# Altium PCB STB_ValidationBoard.PcbDoc (part 1 of 4) (continued)
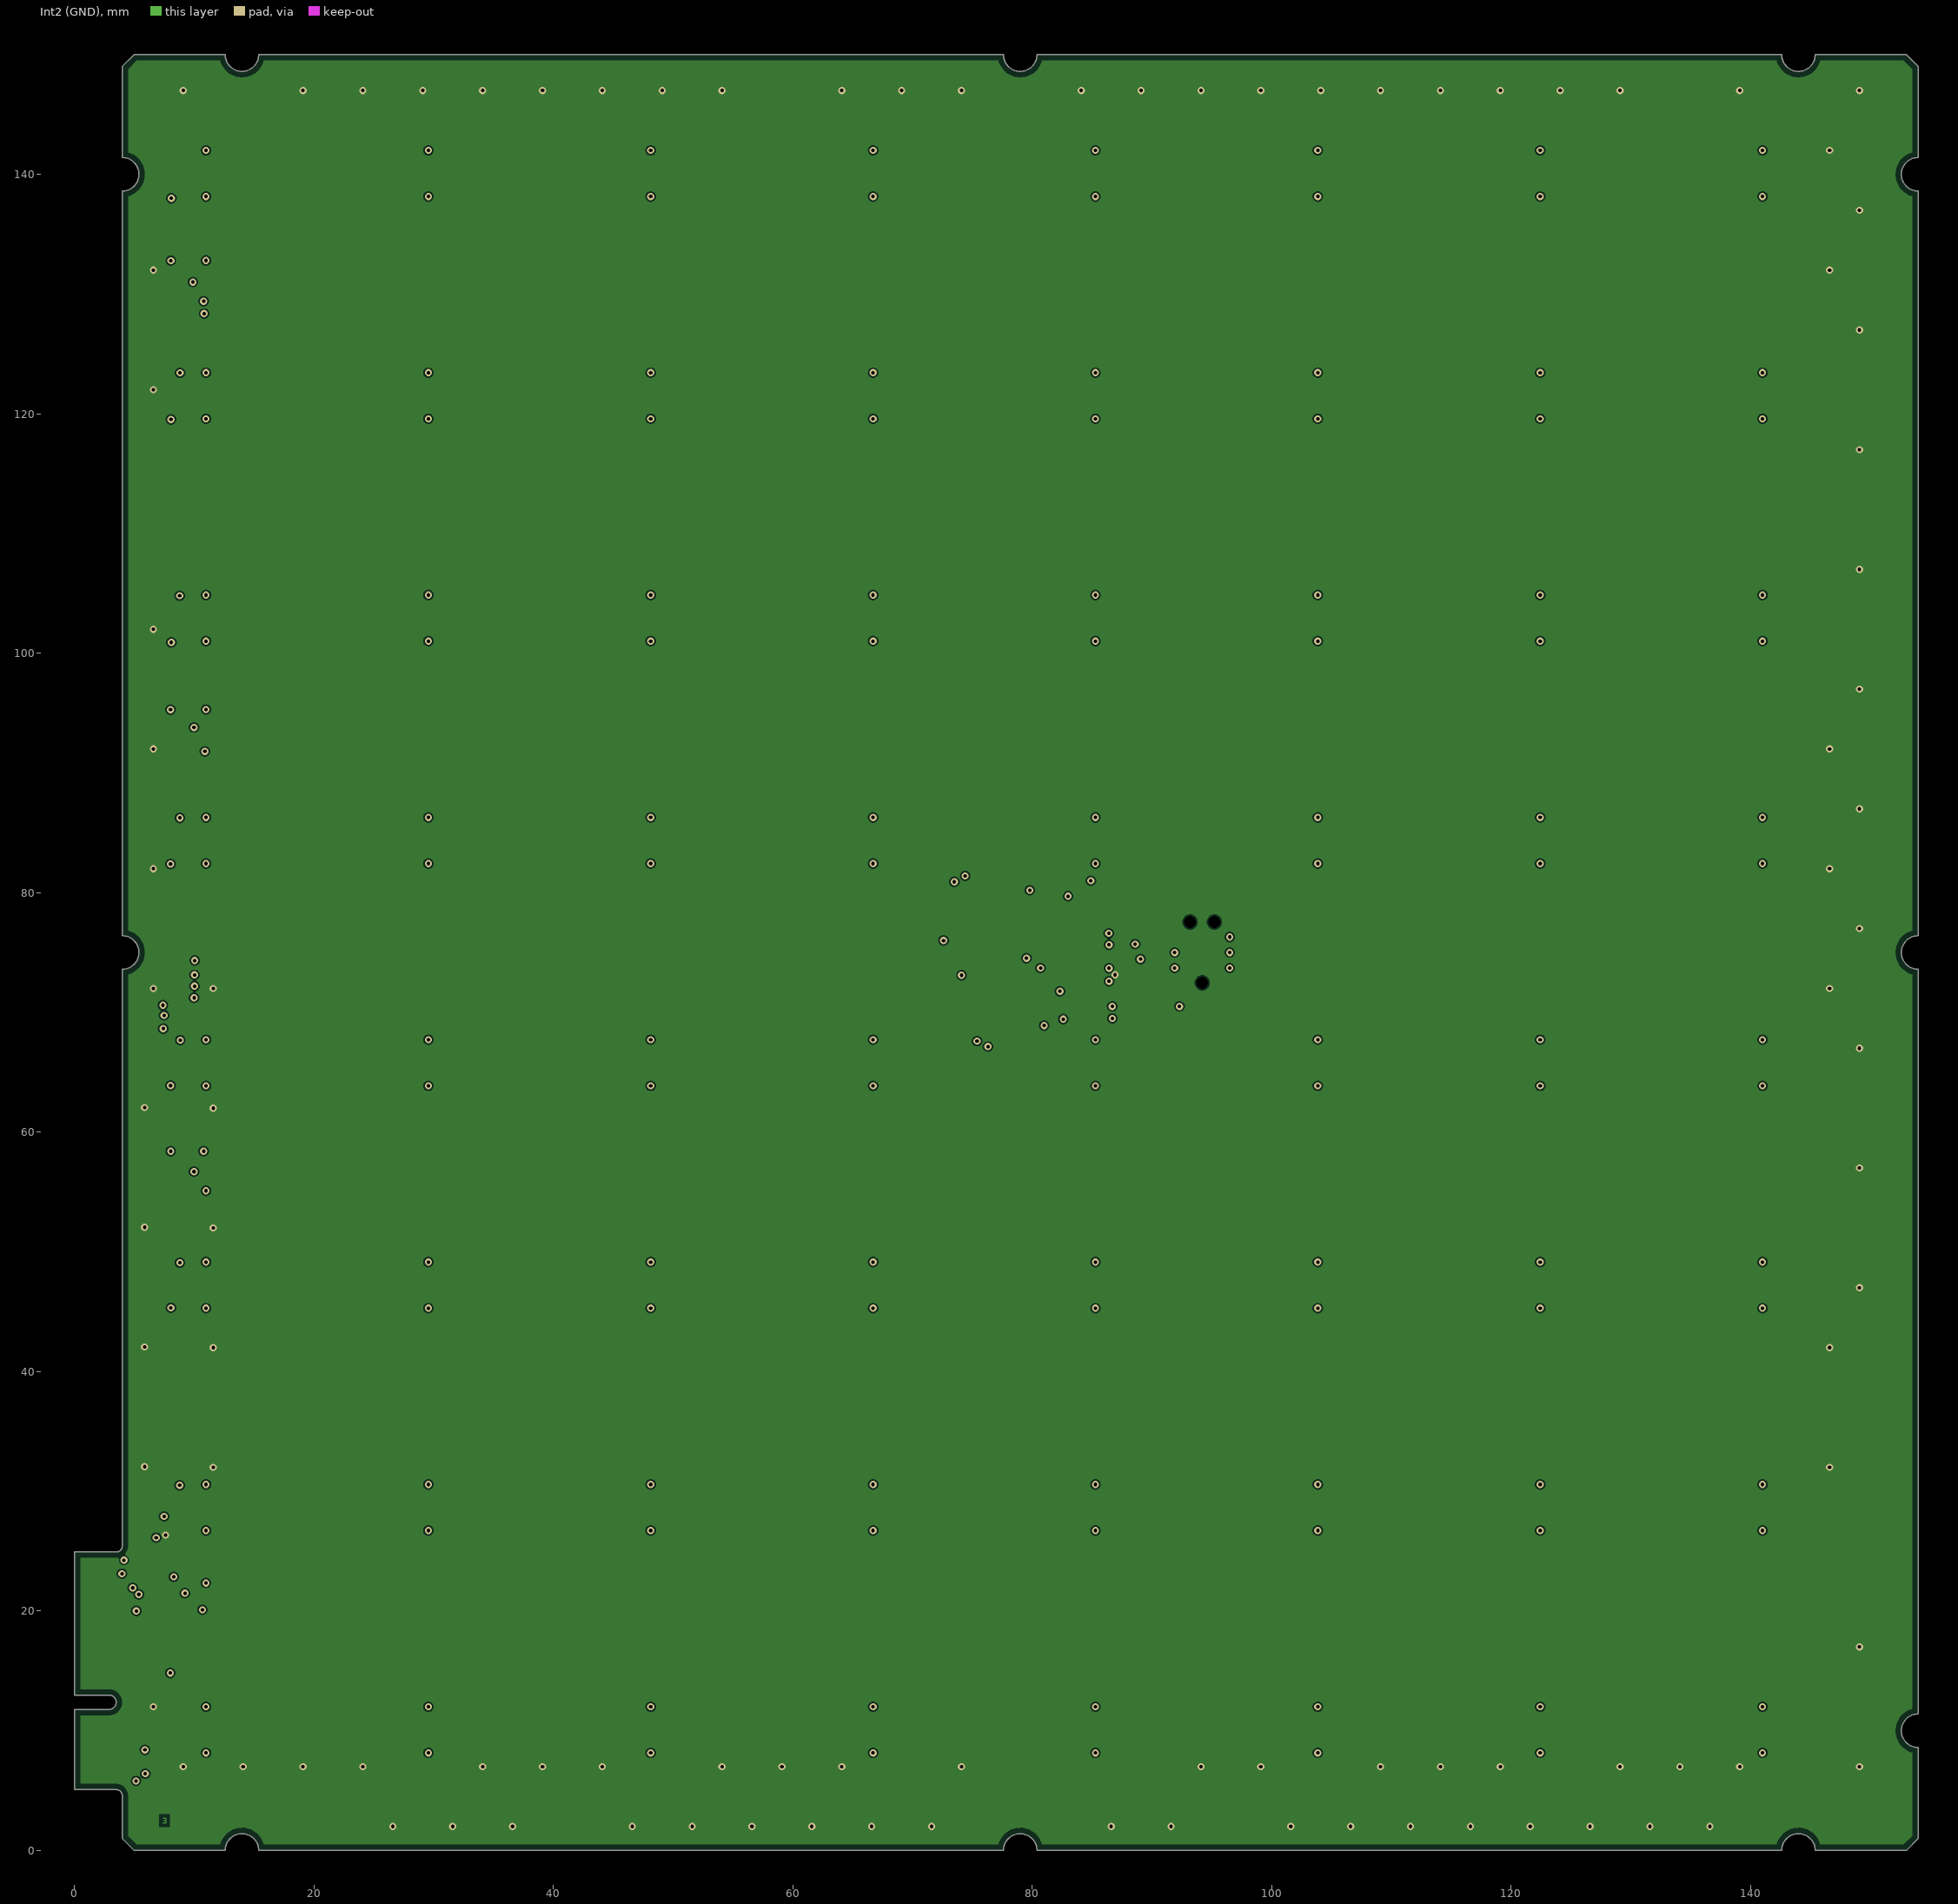
[diagram p3: Int2 (GND)]
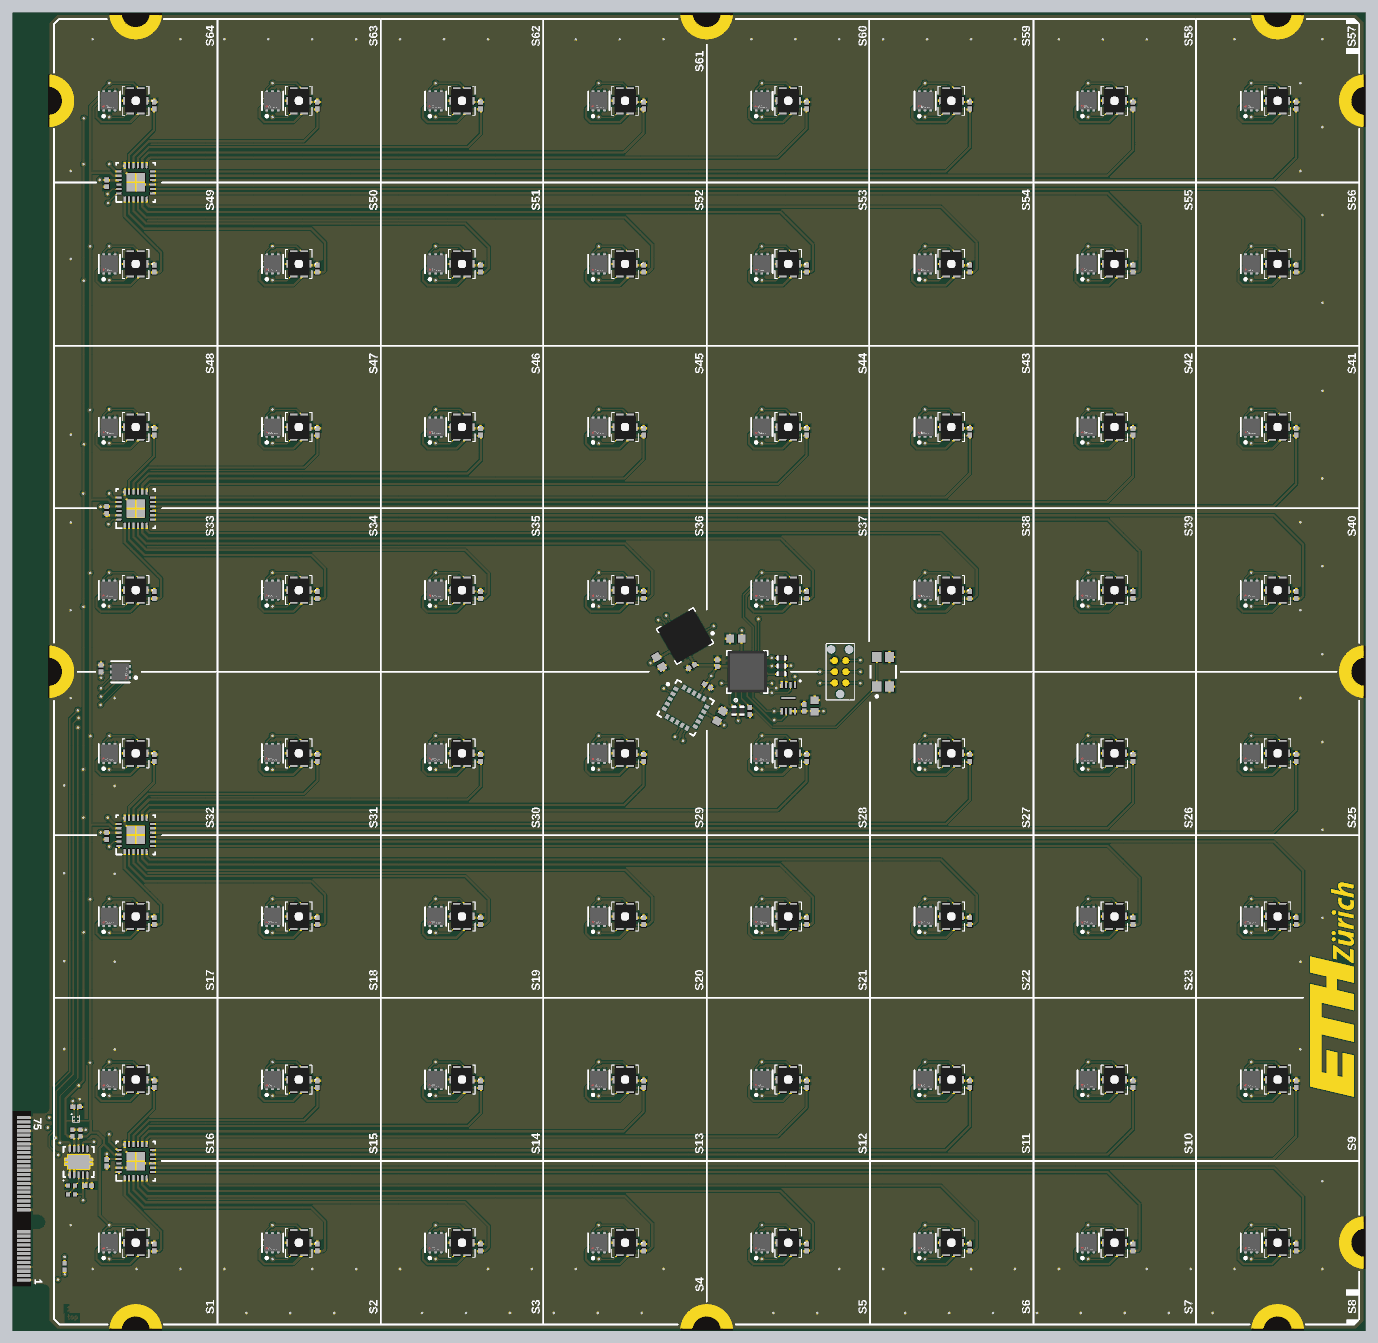
[diagram p7: 3D render of the assembled board from above, using the file's embedded part models]

## Layer stack, top to bottom
Top Solder: solder mask 0.01, SM-001, Dk 4
Top Layer: signal copper 0.035
Dielectric 1: prepreg 0.0787, PP-008, Dk 4.1
Dielectric 2: prepreg 0.0787, PP-008, Dk 4.1
Int1 (Signal): signal copper 0.035
Dielectric 3: core 0.3048, Core-031, Dk 4.4
Int2 (GND): signal copper 0.035
Dielectric 4: prepreg 0.0787, PP-008, Dk 4.1
Dielectric 5: prepreg 0.0787, PP-008, Dk 4.1
Bottom Layer: signal copper 0.035
Bottom Solder: solder mask 0.01, SM-001, Dk 4

## Board outline
0,5.075 3.5,5.075 cw(c3.5,4.575) 4,4.575 4,1 5,0 12.6,0 cw(c14,0) 14,1.4 cw(c14,0) 15.4,0 77.6,0 cw(c79,0) 79,1.4 cw(c79,0) 80.4,0 142.6,0 cw(c144,0) 144,1.4 cw(c144,0) 145.4,0 153,0 154,1 154,8.6 cw(c154,10) 152.6,10 cw(c154,10) 154,11.4 154,73.6 cw(c154,75) 152.6,75 cw(c154,75) 154,76.4 154,138.6 cw(c154,140) 152.6,140 cw(c154,140) 154,141.4 154,149 153,150 147,150 145.4,150 cw(c144,150) 144,148.6 cw(c144,150) 142.6,150 80.4,150 cw(c79,150) 79,148.6 cw(c79,150) 77.6,150 76,150 17,150 15.4,150 cw(c14,150) 14,148.6 cw(c14,150) 12.6,150 5,150 4,149 4,143 4,141.4 cw(c4,140) 5.4,140 cw(c4,140) 4,138.6 4,76.4 cw(c4,75) 5.4,75 cw(c4,75) 4,73.6 4,72 4,25.425 cw(c3.5,25.425) 3.5,24.925 0,24.925 0,12.975 2.9,12.975 cw(c2.9,12.375) 3.5,12.375 cw(c2.9,12.375) 2.9,11.775 0,11.775

## Design rules (kind name [scope] priority, off if disabled: settings)
BoardOutlineClearance BoardOutlineClearance_INNER2 [OnLayer('Int2 (GND)')] p1: gap=0.5 ignorepadtopadclearanceinfootprint=FALSE
BoardOutlineClearance BoardOutlineClearance_INNER1 [OnLayer('Int1 (Signal)')] p2: gap=0.5 ignorepadtopadclearanceinfootprint=FALSE
BoardOutlineClearance [All] p3: gap=0.21 ignorepadtopadclearanceinfootprint=FALSE
Clearance [All] p1: gap=0.125 ignorepadtopadclearanceinfootprint=FALSE
PlaneConnect [All] p1: pad.planeconnectstyle=Relief pad.reliefexpansion=0.508 pad.reliefentries=4 pad.reliefconductorwidth=0.254 pad.reliefairgap=0.254 via.planeconnectstyle=Direct via.reliefexpansion=0.508 via.reliefentries=4 via.reliefconductorwidth=0.254 via.reliefairgap=0.254
PolygonConnect [All] p1: thpad.connectstyle=Relief thpad.reliefconductorwidth=0.254 thpad.reliefentries=4 thpad.polygonreliefangle="90 Angle" thpad.airgapwidth=0.254 smdpad.connectstyle=Relief smdpad.reliefconductorwidth=0.254 smdpad.reliefentries=4 smdpad.polygonreliefangle="90 Angle" smdpad.airgapwidth=0.254 via.connectstyle=Direct via.reliefconductorwidth=0.254 via.reliefentries=4 via.polygonreliefangle="90 Angle" via.airgapwidth=0.254
RoomDefinition S38 [InComponentClass('S38')] p1: confinementstyle=ConfineIn formatcopy=TRUE lockcomponents=FALSE outline 97.571,75 116.143,75 116.143,93.571 97.571,93.571
RoomDefinition S16 [InComponentClass('S16')] p2: confinementstyle=ConfineIn formatcopy=TRUE lockcomponents=FALSE outline 4.714,19.286 23.286,19.286 23.286,37.857 4.714,37.857
RoomDefinition S2 [InComponentClass('S2')] p3: confinementstyle=ConfineIn formatcopy=TRUE lockcomponents=FALSE outline 23.286,0.714 41.857,0.714 41.857,19.286 23.286,19.286
RoomDefinition S5 [InComponentClass('S5')] p4: confinementstyle=ConfineIn formatcopy=TRUE lockcomponents=FALSE outline 79,0.714 97.571,0.714 97.571,19.286 79,19.286
RoomDefinition S9 [InComponentClass('S9')] p5: confinementstyle=ConfineIn formatcopy=TRUE lockcomponents=FALSE outline 134.714,19.286 153.285,19.286 153.285,37.857 134.714,37.857
RoomDefinition S10 [InComponentClass('S10')] p6: confinementstyle=ConfineIn formatcopy=TRUE lockcomponents=FALSE outline 116.143,19.286 134.714,19.286 134.714,37.857 116.143,37.857
RoomDefinition S11 [InComponentClass('S11')] p7: confinementstyle=ConfineIn formatcopy=TRUE lockcomponents=FALSE outline 97.571,19.286 116.143,19.286 116.143,37.857 97.571,37.857
RoomDefinition S12 [InComponentClass('S12')] p8: confinementstyle=ConfineIn formatcopy=TRUE lockcomponents=FALSE outline 79,19.286 97.571,19.286 97.571,37.857 79,37.857
RoomDefinition S13 [InComponentClass('S13')] p9: confinementstyle=ConfineIn formatcopy=TRUE lockcomponents=FALSE outline 60.428,19.286 79,19.286 79,37.857 60.428,37.857
RoomDefinition S14 [InComponentClass('S14')] p10: confinementstyle=ConfineIn formatcopy=TRUE lockcomponents=FALSE outline 41.857,19.286 60.428,19.286 60.428,37.857 41.857,37.857
RoomDefinition S15 [InComponentClass('S15')] p11: confinementstyle=ConfineIn formatcopy=TRUE lockcomponents=FALSE outline 23.286,19.286 41.857,19.286 41.857,37.857 23.286,37.857
RoomDefinition S17 [InComponentClass('S17')] p12: confinementstyle=ConfineIn formatcopy=TRUE lockcomponents=FALSE outline 4.714,37.857 23.286,37.857 23.286,56.428 4.714,56.428
RoomDefinition S18 [InComponentClass('S18')] p13: confinementstyle=ConfineIn formatcopy=TRUE lockcomponents=FALSE outline 23.286,37.857 41.857,37.857 41.857,56.428 23.286,56.428
RoomDefinition S19 [InComponentClass('S19')] p14: confinementstyle=ConfineIn formatcopy=TRUE lockcomponents=FALSE outline 41.857,37.857 60.428,37.857 60.428,56.428 41.857,56.428
RoomDefinition S20 [InComponentClass('S20')] p15: confinementstyle=ConfineIn formatcopy=TRUE lockcomponents=FALSE outline 60.428,37.857 79,37.857 79,56.428 60.428,56.428
RoomDefinition S21 [InComponentClass('S21')] p16: confinementstyle=ConfineIn formatcopy=TRUE lockcomponents=FALSE outline 79,37.857 97.571,37.857 97.571,56.428 79,56.428
RoomDefinition S22 [InComponentClass('S22')] p17: confinementstyle=ConfineIn formatcopy=TRUE lockcomponents=FALSE outline 97.571,37.857 116.143,37.857 116.143,56.428 97.571,56.428
RoomDefinition S23 [InComponentClass('S23')] p18: confinementstyle=ConfineIn formatcopy=TRUE lockcomponents=FALSE outline 116.143,37.857 134.714,37.857 134.714,56.428 116.143,56.428
RoomDefinition S24 [InComponentClass('S24')] p19: confinementstyle=ConfineIn formatcopy=TRUE lockcomponents=FALSE outline 134.714,37.857 153.285,37.857 153.285,56.428 134.714,56.428
RoomDefinition S25 [InComponentClass('S25')] p20: confinementstyle=ConfineIn formatcopy=TRUE lockcomponents=FALSE outline 134.714,56.428 153.285,56.428 153.285,75 134.714,75
RoomDefinition S26 [InComponentClass('S26')] p21: confinementstyle=ConfineIn formatcopy=TRUE lockcomponents=FALSE outline 116.143,56.428 134.714,56.428 134.714,75 116.143,75
RoomDefinition S27 [InComponentClass('S27')] p22: confinementstyle=ConfineIn formatcopy=TRUE lockcomponents=FALSE outline 97.571,56.428 116.143,56.428 116.143,75 97.571,75
RoomDefinition S28 [InComponentClass('S28')] p23: confinementstyle=ConfineIn formatcopy=TRUE lockcomponents=FALSE outline 79,56.428 97.571,56.428 97.571,75 79,75
RoomDefinition S29 [InComponentClass('S29')] p24: confinementstyle=ConfineIn formatcopy=TRUE lockcomponents=FALSE outline 60.429,56.428 79,56.428 79,75 60.429,75
RoomDefinition S30 [InComponentClass('S30')] p25: confinementstyle=ConfineIn formatcopy=TRUE lockcomponents=FALSE outline 41.857,56.428 60.428,56.428 60.428,75 41.857,75
RoomDefinition S31 [InComponentClass('S31')] p26: confinementstyle=ConfineIn formatcopy=TRUE lockcomponents=FALSE outline 23.286,56.428 41.857,56.428 41.857,75 23.286,75
RoomDefinition S32 [InComponentClass('S32')] p27: confinementstyle=ConfineIn formatcopy=TRUE lockcomponents=FALSE outline 4.714,56.428 23.286,56.428 23.286,75 4.714,75
RoomDefinition S33 [InComponentClass('S33')] p28: confinementstyle=ConfineIn formatcopy=TRUE lockcomponents=FALSE outline 4.714,75 23.286,75 23.286,93.571 4.714,93.571
RoomDefinition S34 [InComponentClass('S34')] p29: confinementstyle=ConfineIn formatcopy=TRUE lockcomponents=FALSE outline 23.286,75 41.857,75 41.857,93.571 23.286,93.571
RoomDefinition S35 [InComponentClass('S35')] p30: confinementstyle=ConfineIn formatcopy=TRUE lockcomponents=FALSE outline 41.857,75 60.428,75 60.428,93.571 41.857,93.571
RoomDefinition S36 [InComponentClass('S36')] p31: confinementstyle=ConfineIn formatcopy=TRUE lockcomponents=FALSE outline 60.429,75 79,75 79,93.571 60.429,93.571
RoomDefinition S37 [InComponentClass('S37')] p32: confinementstyle=ConfineIn formatcopy=TRUE lockcomponents=FALSE outline 79,75 97.571,75 97.571,93.571 79,93.571
RoomDefinition S39 [InComponentClass('S39')] p33: confinementstyle=ConfineIn formatcopy=TRUE lockcomponents=FALSE outline 116.143,75 134.714,75 134.714,93.571 116.143,93.571
RoomDefinition S40 [InComponentClass('S40')] p34: confinementstyle=ConfineIn formatcopy=TRUE lockcomponents=FALSE outline 134.714,75 153.285,75 153.285,93.571 134.714,93.571
RoomDefinition S41 [InComponentClass('S41')] p35: confinementstyle=ConfineIn formatcopy=TRUE lockcomponents=FALSE outline 134.714,93.571 153.285,93.571 153.285,112.143 134.714,112.143
RoomDefinition S42 [InComponentClass('S42')] p36: confinementstyle=ConfineIn formatcopy=TRUE lockcomponents=FALSE outline 116.143,93.571 134.714,93.571 134.714,112.143 116.143,112.143
RoomDefinition S43 [InComponentClass('S43')] p37: confinementstyle=ConfineIn formatcopy=TRUE lockcomponents=FALSE outline 97.571,93.571 116.143,93.571 116.143,112.143 97.571,112.143
RoomDefinition S44 [InComponentClass('S44')] p38: confinementstyle=ConfineIn formatcopy=TRUE lockcomponents=FALSE outline 79,93.571 97.571,93.571 97.571,112.143 79,112.143
RoomDefinition S45 [InComponentClass('S45')] p39: confinementstyle=ConfineIn formatcopy=TRUE lockcomponents=FALSE outline 60.428,93.571 79,93.571 79,112.143 60.428,112.143
RoomDefinition S46 [InComponentClass('S46')] p40: confinementstyle=ConfineIn formatcopy=TRUE lockcomponents=FALSE outline 41.857,93.571 60.428,93.571 60.428,112.143 41.857,112.143
RoomDefinition S47 [InComponentClass('S47')] p41: confinementstyle=ConfineIn formatcopy=TRUE lockcomponents=FALSE outline 23.286,93.571 41.857,93.571 41.857,112.143 23.286,112.143
RoomDefinition S48 [InComponentClass('S48')] p42: confinementstyle=ConfineIn formatcopy=TRUE lockcomponents=FALSE outline 4.714,93.571 23.286,93.571 23.286,112.143 4.714,112.143
RoomDefinition S49 [InComponentClass('S49')] p43: confinementstyle=ConfineIn formatcopy=TRUE lockcomponents=FALSE outline 4.714,112.143 23.286,112.143 23.286,130.714 4.714,130.714
RoomDefinition S50 [InComponentClass('S50')] p44: confinementstyle=ConfineIn formatcopy=TRUE lockcomponents=FALSE outline 23.286,112.143 41.857,112.143 41.857,130.714 23.286,130.714
RoomDefinition S51 [InComponentClass('S51')] p45: confinementstyle=ConfineIn formatcopy=TRUE lockcomponents=FALSE outline 41.857,112.143 60.428,112.143 60.428,130.714 41.857,130.714
RoomDefinition S52 [InComponentClass('S52')] p46: confinementstyle=ConfineIn formatcopy=TRUE lockcomponents=FALSE outline 60.428,112.143 79,112.143 79,130.714 60.428,130.714
RoomDefinition S53 [InComponentClass('S53')] p47: confinementstyle=ConfineIn formatcopy=TRUE lockcomponents=FALSE outline 79,112.143 97.571,112.143 97.571,130.714 79,130.714
RoomDefinition S54 [InComponentClass('S54')] p48: confinementstyle=ConfineIn formatcopy=TRUE lockcomponents=FALSE outline 97.571,112.143 116.143,112.143 116.143,130.714 97.571,130.714
RoomDefinition S55 [InComponentClass('S55')] p49: confinementstyle=ConfineIn formatcopy=TRUE lockcomponents=FALSE outline 116.143,112.143 134.714,112.143 134.714,130.714 116.143,130.714
RoomDefinition S56 [InComponentClass('S56')] p50: confinementstyle=ConfineIn formatcopy=TRUE lockcomponents=FALSE outline 134.714,112.143 153.285,112.143 153.285,130.714 134.714,130.714
RoomDefinition S57 [InComponentClass('S57')] p51: confinementstyle=ConfineIn formatcopy=TRUE lockcomponents=FALSE outline 134.714,130.714 153.285,130.714 153.285,149.285 134.714,149.285
RoomDefinition S58 [InComponentClass('S58')] p52: confinementstyle=ConfineIn formatcopy=TRUE lockcomponents=FALSE outline 116.143,130.714 134.714,130.714 134.714,149.285 116.143,149.285
RoomDefinition S59 [InComponentClass('S59')] p53: confinementstyle=ConfineIn formatcopy=TRUE lockcomponents=FALSE outline 97.571,130.714 116.143,130.714 116.143,149.285 97.571,149.285
RoomDefinition S60 [InComponentClass('S60')] p54: confinementstyle=ConfineIn formatcopy=TRUE lockcomponents=FALSE outline 79,130.714 97.571,130.714 97.571,149.285 79,149.285
RoomDefinition S61 [InComponentClass('S61')] p55: confinementstyle=ConfineIn formatcopy=TRUE lockcomponents=FALSE outline 60.428,130.714 79,130.714 79,149.285 60.428,149.285
RoomDefinition S62 [InComponentClass('S62')] p56: confinementstyle=ConfineIn formatcopy=TRUE lockcomponents=FALSE outline 41.857,130.714 60.428,130.714 60.428,149.285 41.857,149.285
RoomDefinition S63 [InComponentClass('S63')] p57: confinementstyle=ConfineIn formatcopy=TRUE lockcomponents=FALSE outline 23.286,130.714 41.857,130.714 41.857,149.285 23.286,149.285
RoomDefinition S64 [InComponentClass('S64')] p58: confinementstyle=ConfineIn formatcopy=TRUE lockcomponents=FALSE outline 4.714,130.714 23.286,130.714 23.286,149.285 4.714,149.285
RoomDefinition TC [InComponentClass('TC')] p59: confinementstyle=ConfineIn formatcopy=TRUE lockcomponents=FALSE outline 8.3,23.3 6.1,23.3 6.1,26.3 8.3,26.3
RoomDefinition S8 [InComponentClass('S8')] p60: confinementstyle=ConfineIn formatcopy=TRUE lockcomponents=FALSE outline 134.714,0.714 153.285,0.714 153.285,19.286 134.714,19.286
RoomDefinition S7 [InComponentClass('S7')] p61: confinementstyle=ConfineIn formatcopy=TRUE lockcomponents=FALSE outline 116.143,0.714 134.714,0.714 134.714,19.286 116.143,19.286
RoomDefinition S6 [InComponentClass('S6')] p62: confinementstyle=ConfineIn formatcopy=TRUE lockcomponents=FALSE outline 97.571,0.714 116.143,0.714 116.143,19.286 97.571,19.286
RoomDefinition S4 [InComponentClass('S4')] p63: confinementstyle=ConfineIn formatcopy=TRUE lockcomponents=FALSE outline 60.428,0.714 79,0.714 79,19.286 60.428,19.286
RoomDefinition S3 [InComponentClass('S3')] p64: confinementstyle=ConfineIn formatcopy=TRUE lockcomponents=FALSE outline 41.857,0.714 60.428,0.714 60.428,19.286 41.857,19.286
RoomDefinition S1 [InComponentClass('S1')] p65: confinementstyle=ConfineIn formatcopy=TRUE lockcomponents=FALSE outline 4.714,0.714 23.286,0.714 23.286,19.286 4.714,19.286
RoutingVias [All] p1: holewidth=0.3 width=0.604 viastyle="Through Hole" minholewidth=0.3 minwidth=0.604 maxholewidth=3 maxwidth=6
SolderMaskExpansion [All] p1: expansion=0.102 istentingtop=FALSE
Width [All] p1: maxlimit=4 minlimit=0.152 preferedwidth=0.2
29 further rules are at their usual default settings.
